# Altium PCB Lighting_Control_Board.PcbDoc (part 1 of 2)
Units mm, origin at the board's own origin, x right, y up, seen from the top; angles counter-clockwise.
Board outline 50 x 150 mm, 4 copper layers (L1, L2, L3, L4), stack 1.586 mm thick; 193 components, 123 nets, 576 pads, 813 vias.
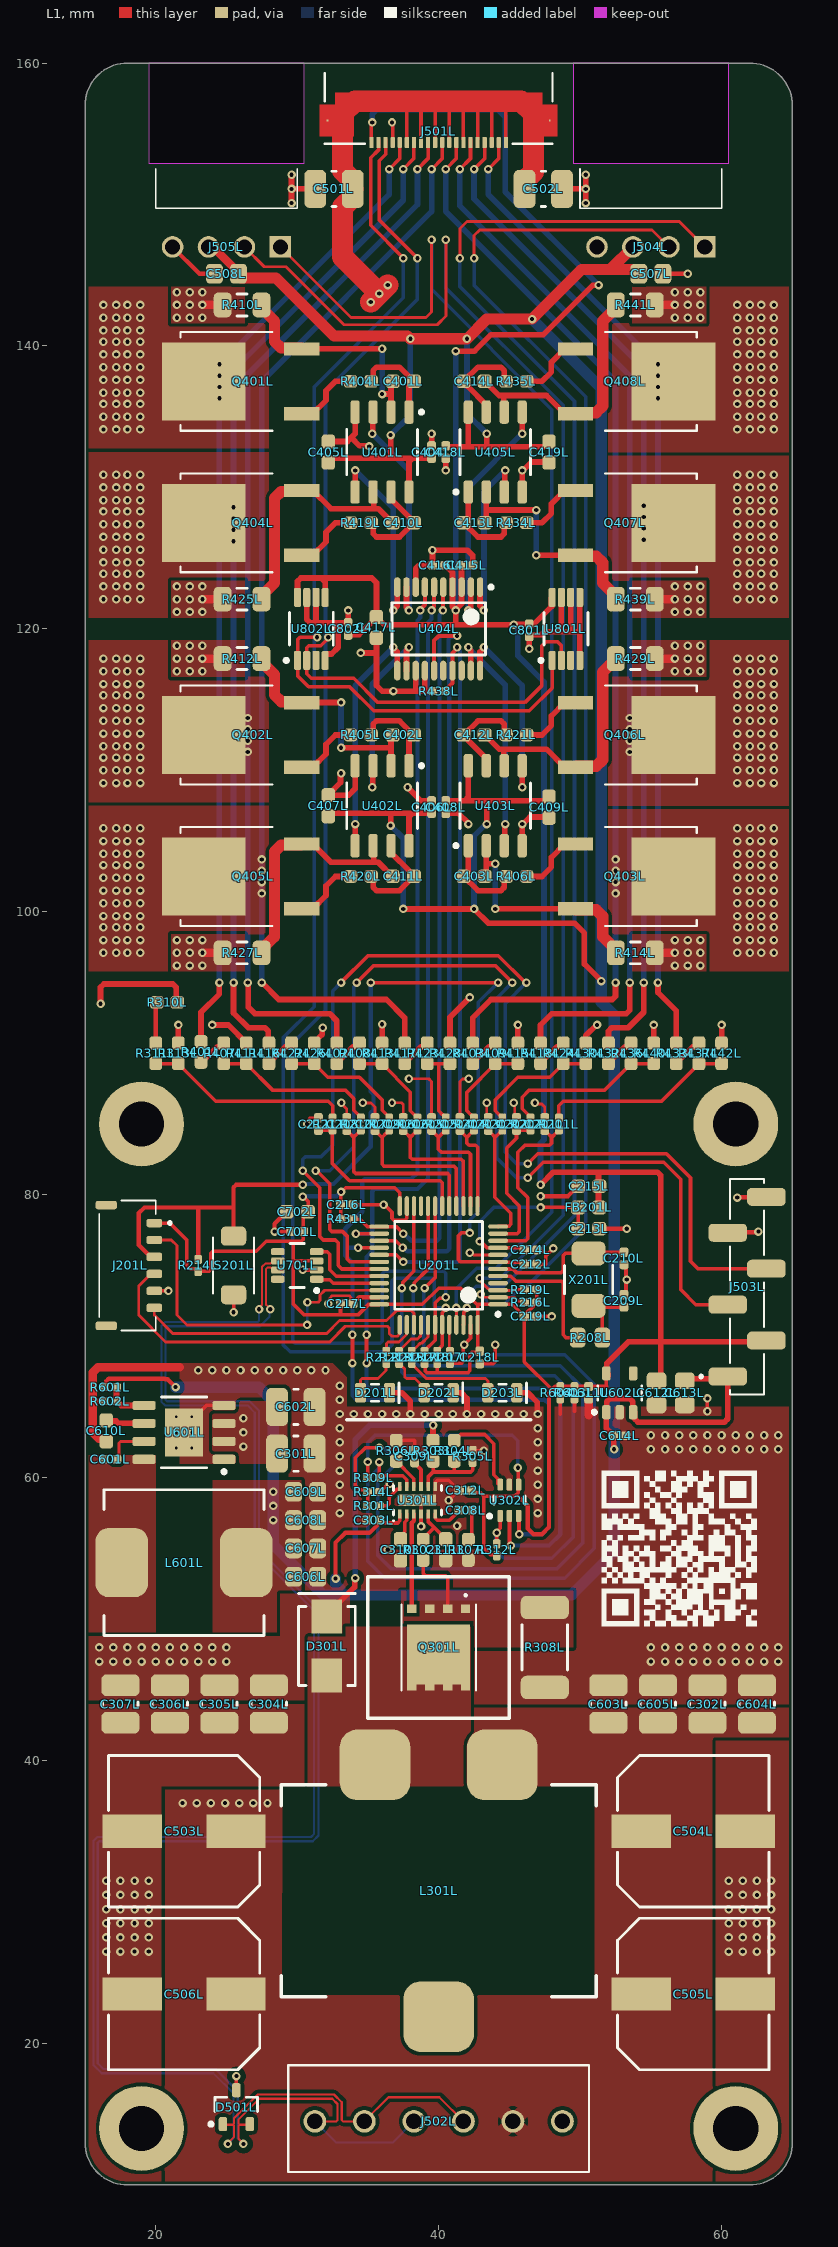
[diagram p0: L1 view]
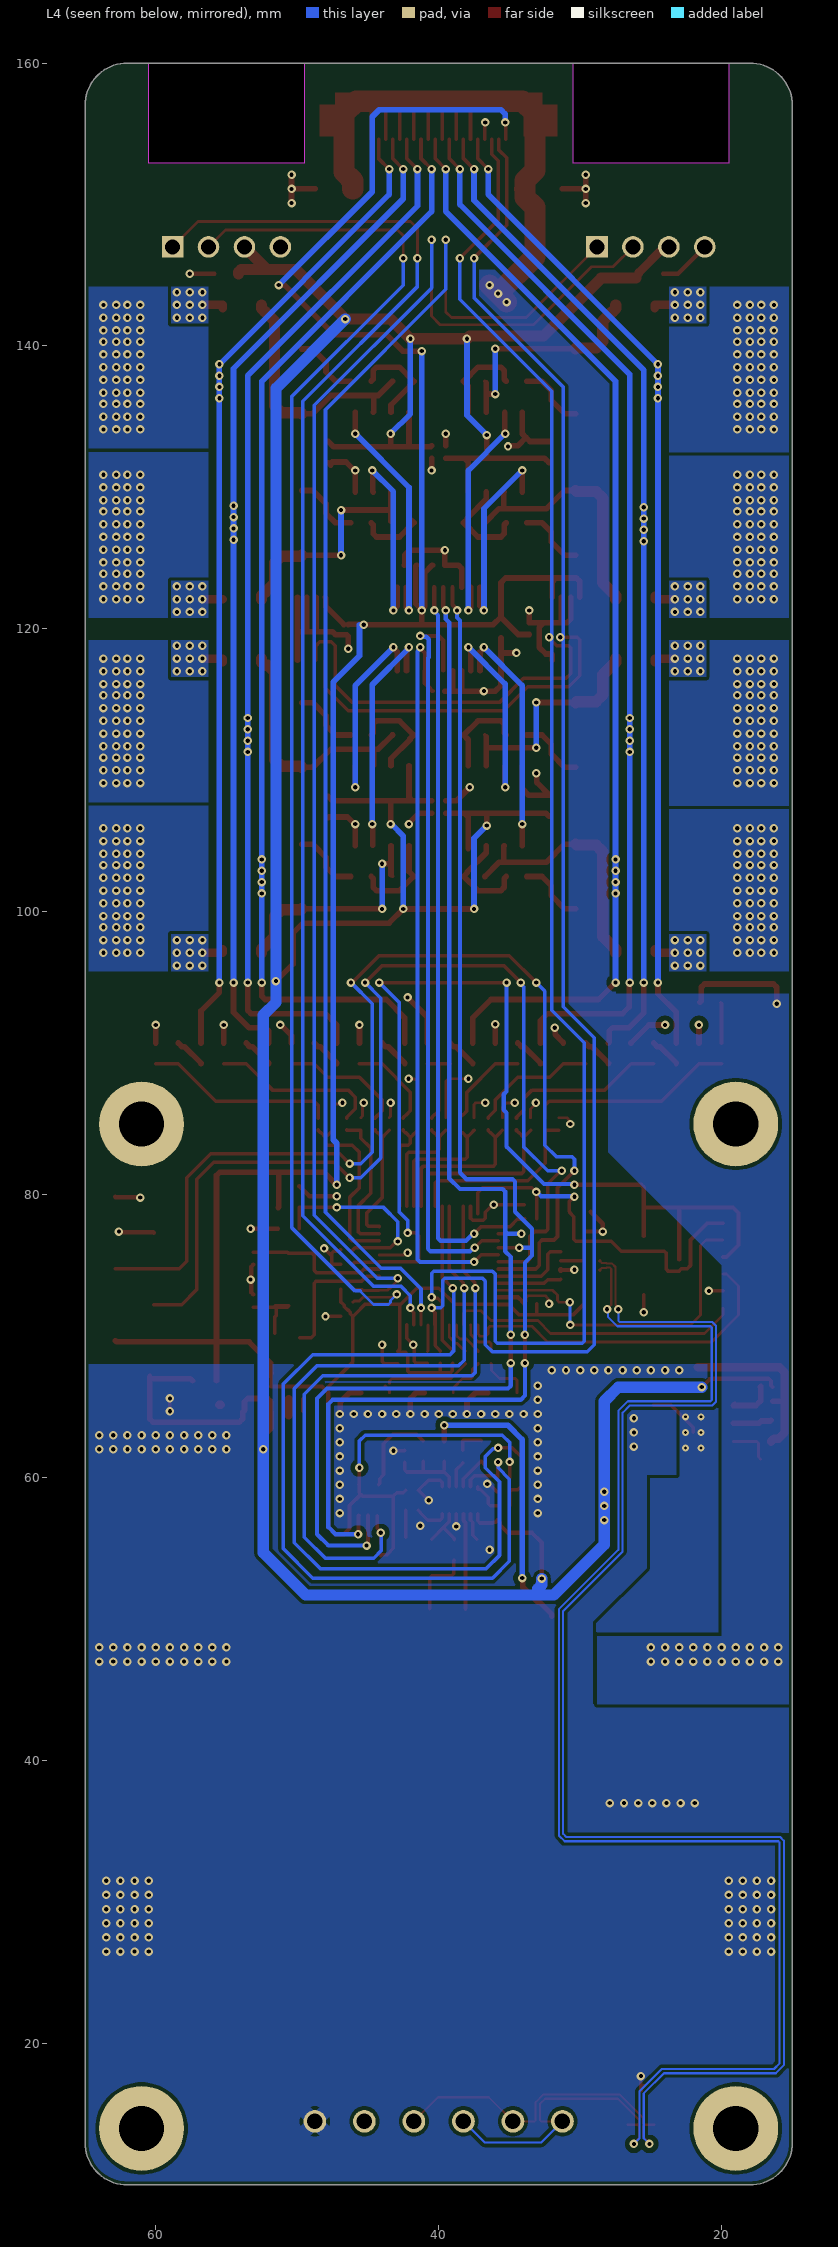
[diagram p1: L4 view, seen from below]
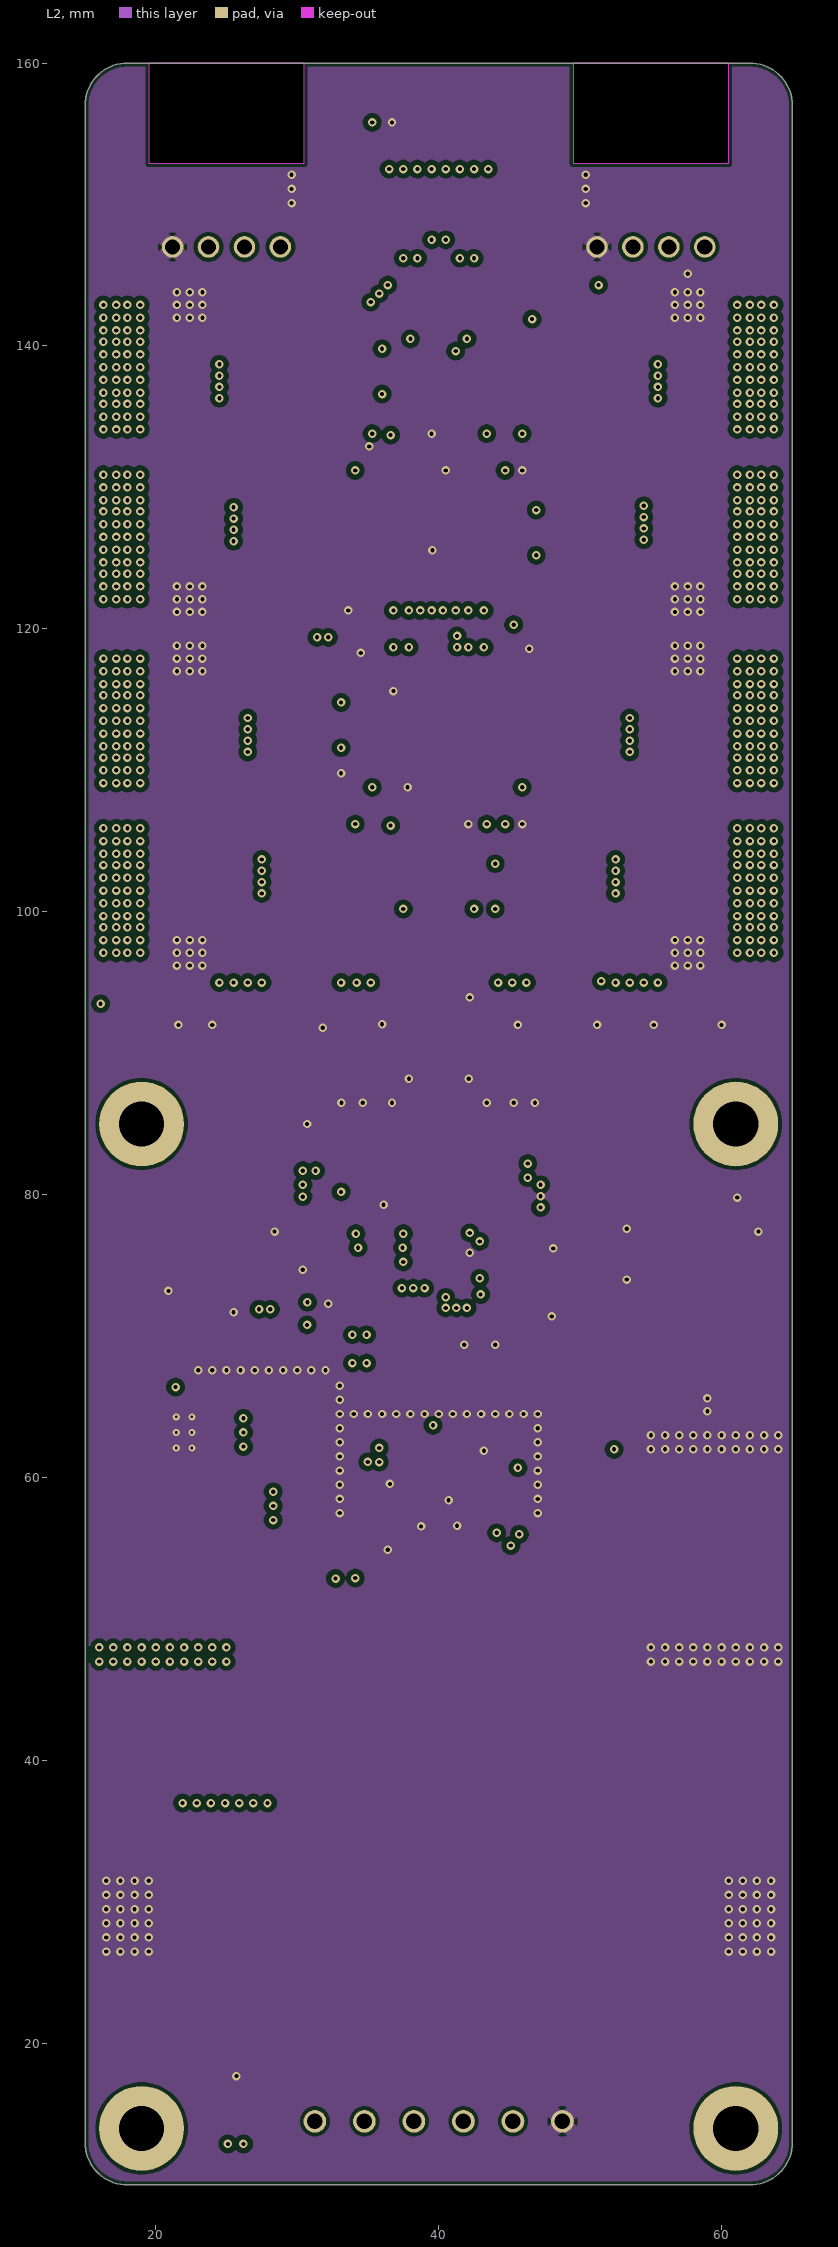
[diagram p2: L2]
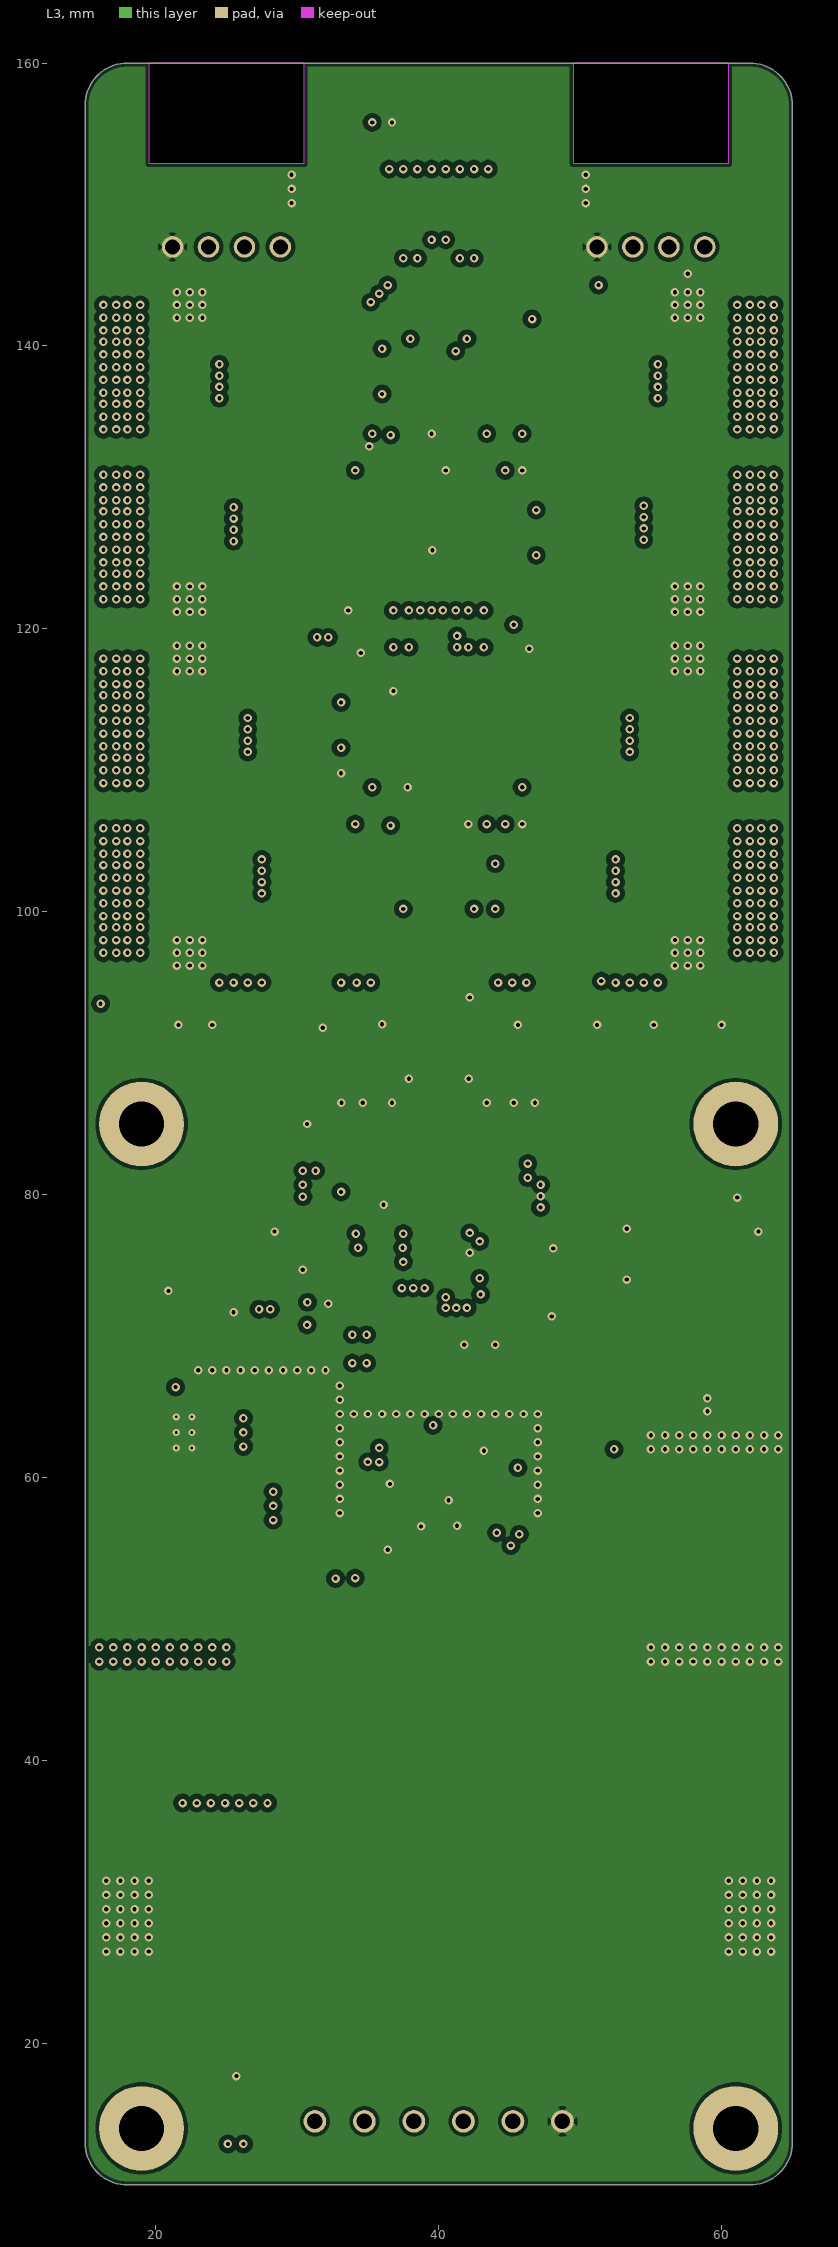
[diagram p3: L3]
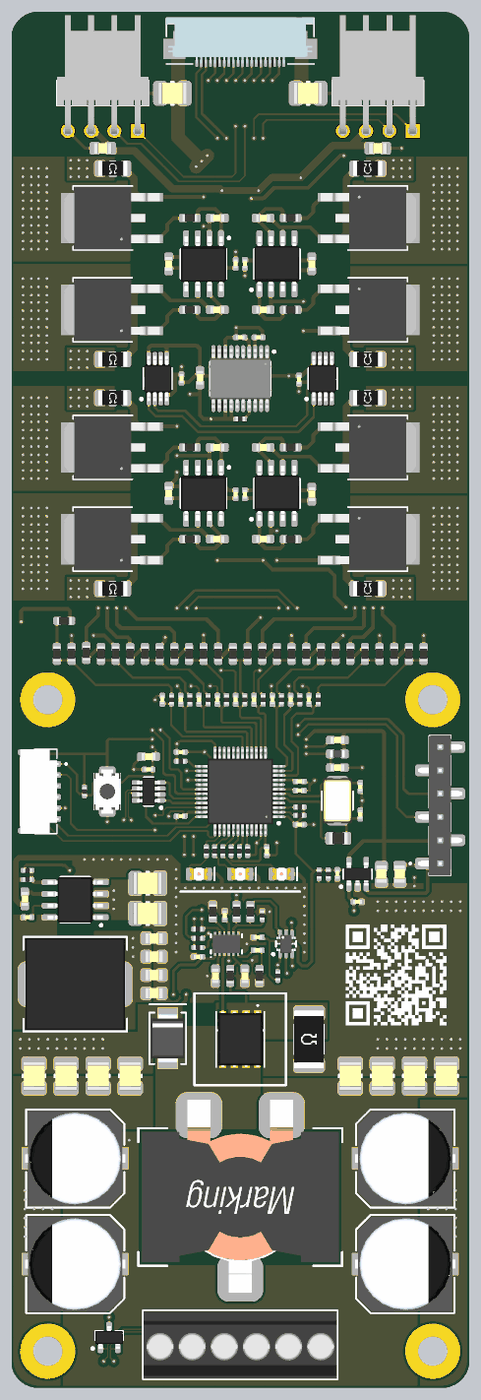
[diagram p5: 3D render of the assembled board from above, using the file's embedded part models]

## Layer stack, top to bottom
Top Solder: solder mask 0.0102, Solder Resist, Dk 3.5
L1: signal copper 0.035
Dielectric 2: prepreg 0.2104, PP-006, Dk 4.4
L2: signal copper 0.0152
Dielectric 1: core 1.065, Core-025, Dk 4.6
L3: signal copper 0.0152
Dielectric 3: prepreg 0.2104, PP-006, Dk 4.4
L4: signal copper 0.035
Bottom Solder: solder mask 0.0102, Solder Resist, Dk 3.5

## Board outline
15,13 15,157 cw(c18,157) 18,160 62,160 cw(c62,157) 65,157 65,13 cw(c62,13) 62,10 18,10 cw(c18,13)
cut-out: 19.5,160 19.5,152.9 30.5,152.9 30.5,160
cut-out: 49.5,160 49.5,152.9 60.5,152.9 60.5,160

## Design rules (kind name [scope] priority, off if disabled: settings)
BoardOutlineClearance [All] p1: gap=0.254 ignorepadtopadclearanceinfootprint=FALSE except(0: Arc-SplitContinuation Track-SplitContinuation SMDPad-SplitContinuation THPad-SplitContinuation Via-SplitContinuation Fill-SplitContinuation Poly-SplitContinuation Region-SplitContinuation Text-SplitContinuation)
Clearance [All] p1: gap=0.25 ignorepadtopadclearanceinfootprint=FALSE except(0.1: Arc-Arc Arc-Track Arc-Text Track-Track Track-Text; 0.15: Arc-SMDPad Arc-THPad Arc-Via Track-SMDPad Track-THPad Track-Via SMDPad-SMDPad SMDPad-THPad SMDPad-Via SMDPad-Text SMDPad-Hole THPad-THPad THPad-Via THPad-Text THPad-Hole Via-Via Via-Text Via-Hole Text-Text Text-Hole; 0.2: Arc-Hole Track-Hole; 0.5: Fill-Text Fill-Hole Poly-Text Poly-Hole Region-Text Region-Hole)
DiffPairsRouting [All] p1: maxlimit=2 minlimit=0.1 mostfreqgap=0.15 toplayer_minwidth=0.1 toplayer_maxwidth=0.2 toplayer_prefwidth=0.15 midlayer1_minwidth=0.1 midlayer1_maxwidth=0.2 midlayer1_prefwidth=0.15 midlayer2_minwidth=0.1 midlayer2_maxwidth=0.2 midlayer2_prefwidth=0.15 bottomlayer_minwidth=0.1 bottomlayer_maxwidth=0.2 bottomlayer_prefwidth=0.15 maxuncoupledlength=12.7
HoleSize [All] p1: absolutevalues=TRUE maxlimit=4 minlimit=0.03 maxpercent=80.000 minpercent=20.000
HoleToHoleClearance [All] p1: gap=0.2 allowstackedmicrovias=TRUE
MinimumSolderMaskSliver [All] p1: minsoldermaskwidth=0.1
PlaneConnect [All] p1: planeconnectstyle=Direct reliefexpansion=0.508 reliefentries=4 reliefconductorwidth=0.254 reliefairgap=0.254
PolygonConnect [All] p1: thpad.connectstyle=Relief thpad.reliefconductorwidth=1 thpad.reliefentries=4 thpad.polygonreliefangle="90 Angle" thpad.airgapwidth=0.254 thpad.conductorbypadedge=TRUE thpad.mindistance=0.381 thpad.enablemindistance=FALSE smdpad.connectstyle=Direct smdpad.reliefconductorwidth=0.254 smdpad.reliefentries=4 smdpad.polygonreliefangle="90 Angle" smdpad.airgapwidth=0.254 via.connectstyle=Direct via.reliefconductorwidth=0.254 via.reliefentries=4 via.polygonreliefangle="90 Angle" via.airgapwidth=0.254
RoutingVias [All] p1: holewidth=0.3 width=0.4 viastyle="Through Hole" minholewidth=0.3 minwidth=0.4 maxholewidth=1 maxwidth=2
SilkToSilkClearance [All] p1: silktosilkclearance=0.1
SilkToSolderMaskClearance [IsPad] p1: minsilkscreentomaskgap=0.1 clearancetoexposedcopper=TRUE
SolderMaskExpansion [All] p1: expansion=0.049 istentingtop=FALSE
SupplyNets "Schematic Supply Nets_11" [InNet('LED_VBUS')] p1: voltage=0.000
SupplyNets "Schematic Supply Nets_10" [InNet('3.3V')] p2: voltage=0.000
SupplyNets "Schematic Supply Nets_9" [InNet('HVIN')] p3: voltage=0.000
SupplyNets "Schematic Supply Nets_8" [InNet('5V')] p4: voltage=0.000
SupplyNets "Schematic Supply Nets_7" [InNet('GND')] p5: voltage=0.000
SupplyNets "Schematic Supply Nets_6" [InNet('VBAT')] p6: voltage=0.000
SupplyNets "Schematic Supply Nets_5" [InNet('HVIN')] p7: voltage=0.000
SupplyNets "Schematic Supply Nets_4" [InNet('GND')] p8: voltage=0.000
SupplyNets "Schematic Supply Nets_3" [InNet('USBD_VBUS')] p9: voltage=0.000
SupplyNets "Schematic Supply Nets_2" [InNet('3.3V')] p10: voltage=0.000
SupplyNets "Schematic Supply Nets_1" [InNet('USBH_VBUS')] p11: voltage=0.000
SupplyNets "Schematic Supply Nets" [InNet('5V')] p12: voltage=0.000
Width [All] p1: maxlimit=2 minlimit=0.1 preferedwidth=0.2 minimp=50.000000 maximp=50.000000 favimp=50.000000
23 further rules are at their usual default settings.

## Classes and differential pairs
component class "Temp Sensor": C801L C802L U801L U802L
component class Power: C601L C602L C603L C604L C605L C606L C607L C608L C609L C610L C611L C612L C613L C614L L601L R601L R602L R603L R604L U601L U602L
component class MCU: C201L C202L C203L C204L C205L C206L C207L C208L C209L C210L C211L C212L C213L C214L C215L C216L C217L C218L C219L D201L D202L D203L FB201L J201L R201L R202L R203L R204L R205L R206L R207L R208L R209L R210L R211L R212L R213L R214L R215L R216L R217L R218L R219L S201L U201L X201L
component class Connectors: C501L C502L C503L C504L C505L C506L C507L C508L D501L J501L J502L J503L J504L J505L
component class CC_Sinks: C401L C402L C403L C404L C405L C406L C407L C408L C409L C410L C411L C412L C413L C414L C415L C416L C417L C418L C419L Q401L Q402L Q403L Q404L Q405L Q406L Q407L Q408L R401L R402L R403L R404L R405L R406L R407L R408L R409L R410L R411L R412L R413L R414L R415L R416L R417L R418L R419L R420L R421L R422L R423L R424L R425L R426L R427L R428L R429L R430L R431L R432L R433L R434L R435L R436L R437L R438L R439L R440L R441L R442L U401L U402L U403L U404L U405L
component class "CAN Transceiver": C701L C702L U701L
component class Boost: C301L C302L C303L C304L C305L C306L C307L C308L C309L C310L C311L C312L D301L L301L Q301L R301L R302L R303L R304L R305L R306L R307L R308L R309L R310L R311L R312L R313L R314L U301L U302L
differential pair CAN: +CAN_P -CAN_N

## Components (designator, comment, footprint, x,y, rotation, side; value= is the part's Value field where it differs from the comment)
C201L "100nF Cap" "0402 CAPACITOR" 47.5,85 r270 top locked value=100nF
C202L "100nF Cap" "0402 CAPACITOR" 45.5,85 r270 top locked value=100nF
C203L "100nF Cap" "0402 CAPACITOR" 43.5,85 r270 top locked value=100nF
C204L "100nF Cap" "0402 CAPACITOR" 41.5,85 r270 top locked value=100nF
C205L "100nF Cap" "0402 CAPACITOR" 39.5,85 r270 top locked value=100nF
C206L "100nF Cap" "0402 CAPACITOR" 37.5,85 r270 top locked value=100nF
C207L "100nF Cap" "0402 CAPACITOR" 35.5,85 r270 top locked value=100nF
C208L "100nF Cap" "0402 CAPACITOR" 33.5,85 r270 top locked value=100nF
C209L "10pF Cap" "0402 CAPACITOR" 53.1,72.5 r270 top value=10pF
C210L "10pF Cap" "0402 CAPACITOR" 53.1,75.5 r90 top value=10pF
C211L "100nF Cap" "0402 CAPACITOR" 31.5,85 r270 top locked value=100nF
C212L "100nF Cap" "0402 CAPACITOR" 46.5,75.1 r180 top value=100nF
C213L "2.2uF Cap" "0603 CAPACITOR" 50.6,77.6 r180 top value=2.2uF
C214L "100nF Cap" "0402 CAPACITOR" 46.5,76.1 r180 top value=100nF
C215L "2.2uF Cap" "0603 CAPACITOR" 50.6,80.6 r0 top value=2.2uF
C216L "100nF Cap" "0402 CAPACITOR" 33.5,79.3 r180 top value=100nF
C217L "100nF Cap" "0402 CAPACITOR" 33.5,72.3 r180 top value=100nF
C218L "100nF Cap" "0402 CAPACITOR" 42.9,68.5 r90 top value=100nF
C219L "100nF Cap" "0402 CAPACITOR" 46.5,71.4 r180 top value=100nF
C301L "10uF HV Cap" "1210 CAPACITOR" 29.9,61.7 r180 top value=10uF
C302L "10uF HV Cap" "1210 CAPACITOR" 59,44 r270 top value=10uF
C303L "100nF Cap" "0402 CAPACITOR" 35.4,57 r0 top value=100nF
C304L "10uF HV Cap" "1210 CAPACITOR" 28,44 r90 top value=10uF
C305L "10uF HV Cap" "1210 CAPACITOR" 24.5,44 r90 top value=10uF
C306L "10uF HV Cap" "1210 CAPACITOR" 21,44 r90 top value=10uF
C307L "10uF HV Cap" "1210 CAPACITOR" 17.5,44 r90 top value=10uF
C308L "100nF Cap" "0402 CAPACITOR" 41.9,57.7 r180 top value=100nF
C309L "100nF Cap" "0402 CAPACITOR" 38.3,61.5 r270 top value=100nF
C310L "2.2uF Cap" "0603 CAPACITOR" 37.3,54.9 r90 top value=2.2uF
C311L "220pF_Cap" "0603 CAPACITOR" 40.5,54.9 r90 top value=220pF
C312L "100nF Cap" "0402 CAPACITOR" 41.9,59.1 r0 top value=100nF
C401L "220pF_Cap" "0603 CAPACITOR" 37.5,137.5 r0 top locked value=220pF
C402L "220pF_Cap" "0603 CAPACITOR" 37.5,112.5 r0 top locked value=220pF
C403L "220pF_Cap" "0603 CAPACITOR" 42.5,102.5 r180 top locked value=220pF
C404L "100nF Cap" "0402 CAPACITOR" 39.5,132.5 r270 top locked value=100nF
C405L "2.2uF Cap" "0603 CAPACITOR" 32.2,132.5 r270 top locked value=2.2uF
C406L "100nF Cap" "0402 CAPACITOR" 39.5,107.4 r270 top locked value=100nF
C407L "2.2uF Cap" "0603 CAPACITOR" 32.2,107.5 r270 top locked value=2.2uF
C408L "100nF Cap" "0402 CAPACITOR" 40.5,107.4 r90 top locked value=100nF
C409L "2.2uF Cap" "0603 CAPACITOR" 47.8,107.4 r90 top locked value=2.2uF
C410L "220pF_Cap" "0603 CAPACITOR" 37.5,127.5 r0 top locked value=220pF
C411L "220pF_Cap" "0603 CAPACITOR" 37.5,102.5 r0 top locked value=220pF
C412L "220pF_Cap" "0603 CAPACITOR" 42.5,112.5 r180 top locked value=220pF
C413L "220pF_Cap" "0603 CAPACITOR" 42.5,127.5 r180 top locked value=220pF
C414L "220pF_Cap" "0603 CAPACITOR" 42.5,137.5 r180 top locked value=220pF
C415L "100nF Cap" "0402 CAPACITOR" 42,124.5 r180 top locked value=100nF
C416L "100nF Cap" "0402 CAPACITOR" 40,124.5 r0 top locked value=100nF
C417L "2.2uF Cap" "0603 CAPACITOR" 35.6,120.1 r90 top locked value=2.2uF
C418L "100nF Cap" "0402 CAPACITOR" 40.5,132.5 r90 top locked value=100nF
C419L "2.2uF Cap" "0603 CAPACITOR" 47.8,132.5 r90 top locked value=2.2uF
C501L "10uF HV Cap" "1210 CAPACITOR" 32.6,151.1 r0 top value=10uF
C502L "10uF HV Cap" "1210 CAPACITOR" 47.4,151.1 r180 top value=10uF
C503L "47uF Cap Electrolytic" "8X10 CAPACITOR (UUX2A220MNL6GS)" 22,35 r180 top value=47uF
C504L "47uF Cap Electrolytic" "8X10 CAPACITOR (UUX2A220MNL6GS)" 58,35 r0 top value=47uF
C505L "47uF Cap Electrolytic" "8X10 CAPACITOR (UUX2A220MNL6GS)" 58,23.5 r0 top value=47uF
C506L "47uF Cap Electrolytic" "8X10 CAPACITOR (UUX2A220MNL6GS)" 22,23.5 r180 top value=47uF
C507L "22uF Cap" "0805 CAPACITOR" 55,145.1 r180 top value=22uF
C508L "22uF Cap" "0805 CAPACITOR" 25,145.1 r0 top value=22uF
C601L "100nF Cap" "0402 CAPACITOR" 16.8,61.3 r0 top value=100nF
C602L "10uF HV Cap" "1210 CAPACITOR" 29.9,65 r180 top value=10uF
C603L "10uF HV Cap" "1210 CAPACITOR" 52,44 r270 top value=10uF
C604L "10uF HV Cap" "1210 CAPACITOR" 62.5,44 r270 top value=10uF
C605L "10uF HV Cap" "1210 CAPACITOR" 55.5,44 r270 top value=10uF
C606L "22uF Cap" "0805 CAPACITOR" 30.6,53 r180 top value=22uF
C607L "22uF Cap" "0805 CAPACITOR" 30.6,55 r180 top value=22uF
C608L "22uF Cap" "0805 CAPACITOR" 30.6,57 r180 top value=22uF
C609L "22uF Cap" "0805 CAPACITOR" 30.6,59 r180 top value=22uF
C610L "2.2uF Cap" "0603 CAPACITOR" 16.5,63.3 r90 top value=2.2uF
C611L "100nF Cap" "0402 CAPACITOR" 50.6,66 r90 top value=100nF
C612L "22uF Cap" "0805 CAPACITOR" 55.4,66 r90 top value=22uF
C613L "22uF Cap" "0805 Capacitor" 57.4,66 r90 top value=22uF
C614L "100nF Cap" "0402 Capacitor" 52.8,62.97 r180 top value=100nF
C701L "100nF Cap" "0402 CAPACITOR" 30,77.4 r0 top value=100nF
C702L "2.2uF Cap" "0603 CAPACITOR" 30,78.8 r0 top value=2.2uF
C801L "100nF Cap" "0402 CAPACITOR" 46.4,119.9 r90 top value=100nF
C802L "100nF Cap" "0402 CAPACITOR" 33.6,120 r270 top value=100nF
D201L "NCD0805R1" "0805 LED" 35.5,66 r0 top
D202L "NCD0805R1" "0805 LED" 40,66 r0 top
D203L "NCD0805R1" "0805 LED" 44.5,66 r0 top
D301L "STPS3150U" "SMB DIODE (STPS3150U)" 32.1,48.1 r270 top
D501L "ESD2CANXL24DBZRQ1" SOT23-3 25.7,15.5 r90 top
FB201L "BLM18KG300TN1D" "0603 FERRITE BEAD" 50.6,79.1 r180 top
J201L "SWD Header" "6 PIN SWD CONNECTOR" 18,75 r270 top
J501L "527452097_LED" "527452097 20 PIN FPC" 40,159.25 r180 top
J502L "0393570006" 0393570006 31.25,14.5 r0 top
J503L "Header 6" 95293-401A06LF 61.8,73.5 r90 top
J504L "0022053041" 22053041 55,147 r180 top locked
J505L "0022053041" 22053041 25,147 r180 top locked
L301L "33uH_Inductor" "7443632200 Inductor" 40,30.8 r180 top value=33uH
L601L "18uH_Inudctor" "11X10MM INDUCTOR" 22,54 r0 top value=18uH
Q301L "CSD19531Q5A" CSD19531Q5A 40,48 r270 top
Q401L "IRLR3410TRPBF" "DPAK_TO_252AA (IRLR3410TRPBF)" 25,137.5 r90 top locked
Q402L "IRLR3410TRPBF" "DPAK_TO_252AA (IRLR3410TRPBF)" 25,112.5 r90 top locked
Q403L "IRLR3410TRPBF" "DPAK_TO_252AA (IRLR3410TRPBF)" 55,102.5 r270 top locked
Q404L "IRLR3410TRPBF" "DPAK_TO_252AA (IRLR3410TRPBF)" 25,127.5 r90 top locked
Q405L "IRLR3410TRPBF" "DPAK_TO_252AA (IRLR3410TRPBF)" 25,102.5 r90 top locked
Q406L "IRLR3410TRPBF" "DPAK_TO_252AA (IRLR3410TRPBF)" 55,112.5 r270 top locked
Q407L "IRLR3410TRPBF" "DPAK_TO_252AA (IRLR3410TRPBF)" 55,127.5 r270 top locked
Q408L "IRLR3410TRPBF" "DPAK_TO_252AA (IRLR3410TRPBF)" 55,137.5 r270 top locked
R201L "1k Res" "0402 RESISTOR" 48.5,85 r270 top locked value=1k
R202L "1k Res" "0402 RESISTOR" 46.5,85 r270 top locked value=1k
R203L "1k Res" "0402 RESISTOR" 44.5,85 r270 top locked value=1k
R204L "1k Res" "0402 RESISTOR" 42.5,85 r270 top locked value=1k
R205L "1k Res" "0402 RESISTOR" 40.5,85 r270 top locked value=1k
R206L "1k Res" "0402 RESISTOR" 38.5,85 r270 top locked value=1k
R207L "10k Res" "0402 RESISTOR" 40.8,68.5 r270 top value=10K
R208L "0 Res" "0805 RESISTOR" 50.7,69.9 r180 top value=0
R209L "1k Res" "0402 RESISTOR" 36.5,85 r270 top locked value=1k
R210L "1k Res" "0402 RESISTOR" 34.5,85 r270 top locked value=1k
R211L "1k Res" "0402 RESISTOR" 32.5,85 r270 top locked value=1k
R212L "1k Res" "0402 RESISTOR" 36.3,68.5 r270 top value=1k
R213L "1k Res" "0402 RESISTOR" 37.2,68.5 r270 top value=1k
R214L "10k Res" "0402 RESISTOR" 23,75 r270 top value=10K
R215L "1k Res" "0402 RESISTOR" 38.1,68.5 r270 top value=1k
R216L "10k Res" "0402 RESISTOR" 46.5,72.4 r0 top value=10K
R217L "5.1k Res" "0402 RESISTOR" 39,68.5 r270 top value=5.1k
R218L "5.1k Res" "0402 RESISTOR" 39.9,68.5 r270 top value=5.1k
R219L "10k Res" "0402 RESISTOR" 46.5,73.3 r0 top value=10K
R301L "1k Res" "0402 RESISTOR" 35.4,58 r180 top value=1k
R302L "47_Res" "0603 RESISTOR" 38.9,54.9 r270 top value=47
R303L "44k_Res" "0603 RESISTOR" 39.6,61.9 r90 top value=44.2k
R304L "2870_Res" "0603 RESISTOR" 41.1,61.9 r90 top value=2870
R305L "1k Res" "0402 RESISTOR" 42.4,61.5 r270 top value=1k
R306L "75k_Res" "0603 RESISTOR" 37,61.9 r270 top value=75k
R307L "3.9k_Res" "0603 RESISTOR" 42.1,54.9 r90 top value=3.9k
R308L "8m_Res" "2512 RESISTOR" 47.5,48 r90 top value=8m
R309L "10k Res" "0402 RESISTOR" 35.4,60 r180 top value=10K
R310L "499kRes" "0603 RESISTOR" 20.8,93.6 r0 top value=499k
R311L "499kRes" "0603 RESISTOR" 20,90 r90 top locked value=499k
R312L "10k Res" "0402 Resistor" 44.1,54.9 r90 top value=10K
R313L "33.2k_Res" "0603 RESISTOR" 21.6,90 r270 top locked value=33.2K
R314L "10k Res" "0402 RESISTOR" 35.4,59 r180 top value=10K
R401L "75k_Res" "0603 Resistor" 23.2,90.1 r90 top value=75k
R402L "75k_Res" "0603 Resistor" 32.8,90 r90 top value=75k
R403L "75k_Res" "0603 Resistor" 42.4,90 r90 top value=75k
R404L "47_Res" "0603 RESISTOR" 34.5,137.5 r180 top locked value=47
R405L "47_Res" "0603 RESISTOR" 34.5,112.5 r180 top locked value=47
R406L "47_Res" "0603 RESISTOR" 45.5,102.5 r0 top locked value=47
R407L "75k_Res" "0603 Resistor" 24.8,90 r90 top value=75k
R408L "75k_Res" "0603 Resistor" 34.4,90 r90 top value=75k
R409L "75k_Res" "0603 Resistor" 44,90 r90 top value=75k
R410L "1_Res" "1206 RESISTOR" 26.1,142.9 r0 top locked value=1
R411L "75k_Res" "0603 Resistor" 26.4,90 r270 top value=75k
R412L "1_Res" "1206 RESISTOR" 26.1,117.9 r0 top locked value=1
R413L "75k_Res" "0603 Resistor" 36,90 r270 top value=75k
R414L "1_Res" "1206 RESISTOR" 53.9,97.1 r180 top locked value=1
R415L "75k_Res" "0603 Resistor" 45.6,90 r270 top value=75k
R416L "75k_Res" "0603 Resistor" 28,90 r90 top value=75k
R417L "75k_Res" "0603 Resistor" 37.6,90 r90 top value=75k
R418L "75k_Res" "0603 Resistor" 47.2,90 r90 top value=75k
R419L "47_Res" "0603 RESISTOR" 34.5,127.5 r180 top locked value=47
R420L "47_Res" "0603 RESISTOR" 34.5,102.5 r180 top locked value=47
R421L "47_Res" "0603 RESISTOR" 45.5,112.5 r0 top locked value=47
R422L "75k_Res" "0603 Resistor" 29.6,90 r90 top value=75k
R423L "75k_Res" "0603 Resistor" 39.2,90 r90 top value=75k